# Altium PCB 0020-03_FFT2G.PcbDoc (part 4 of 16) (continued)
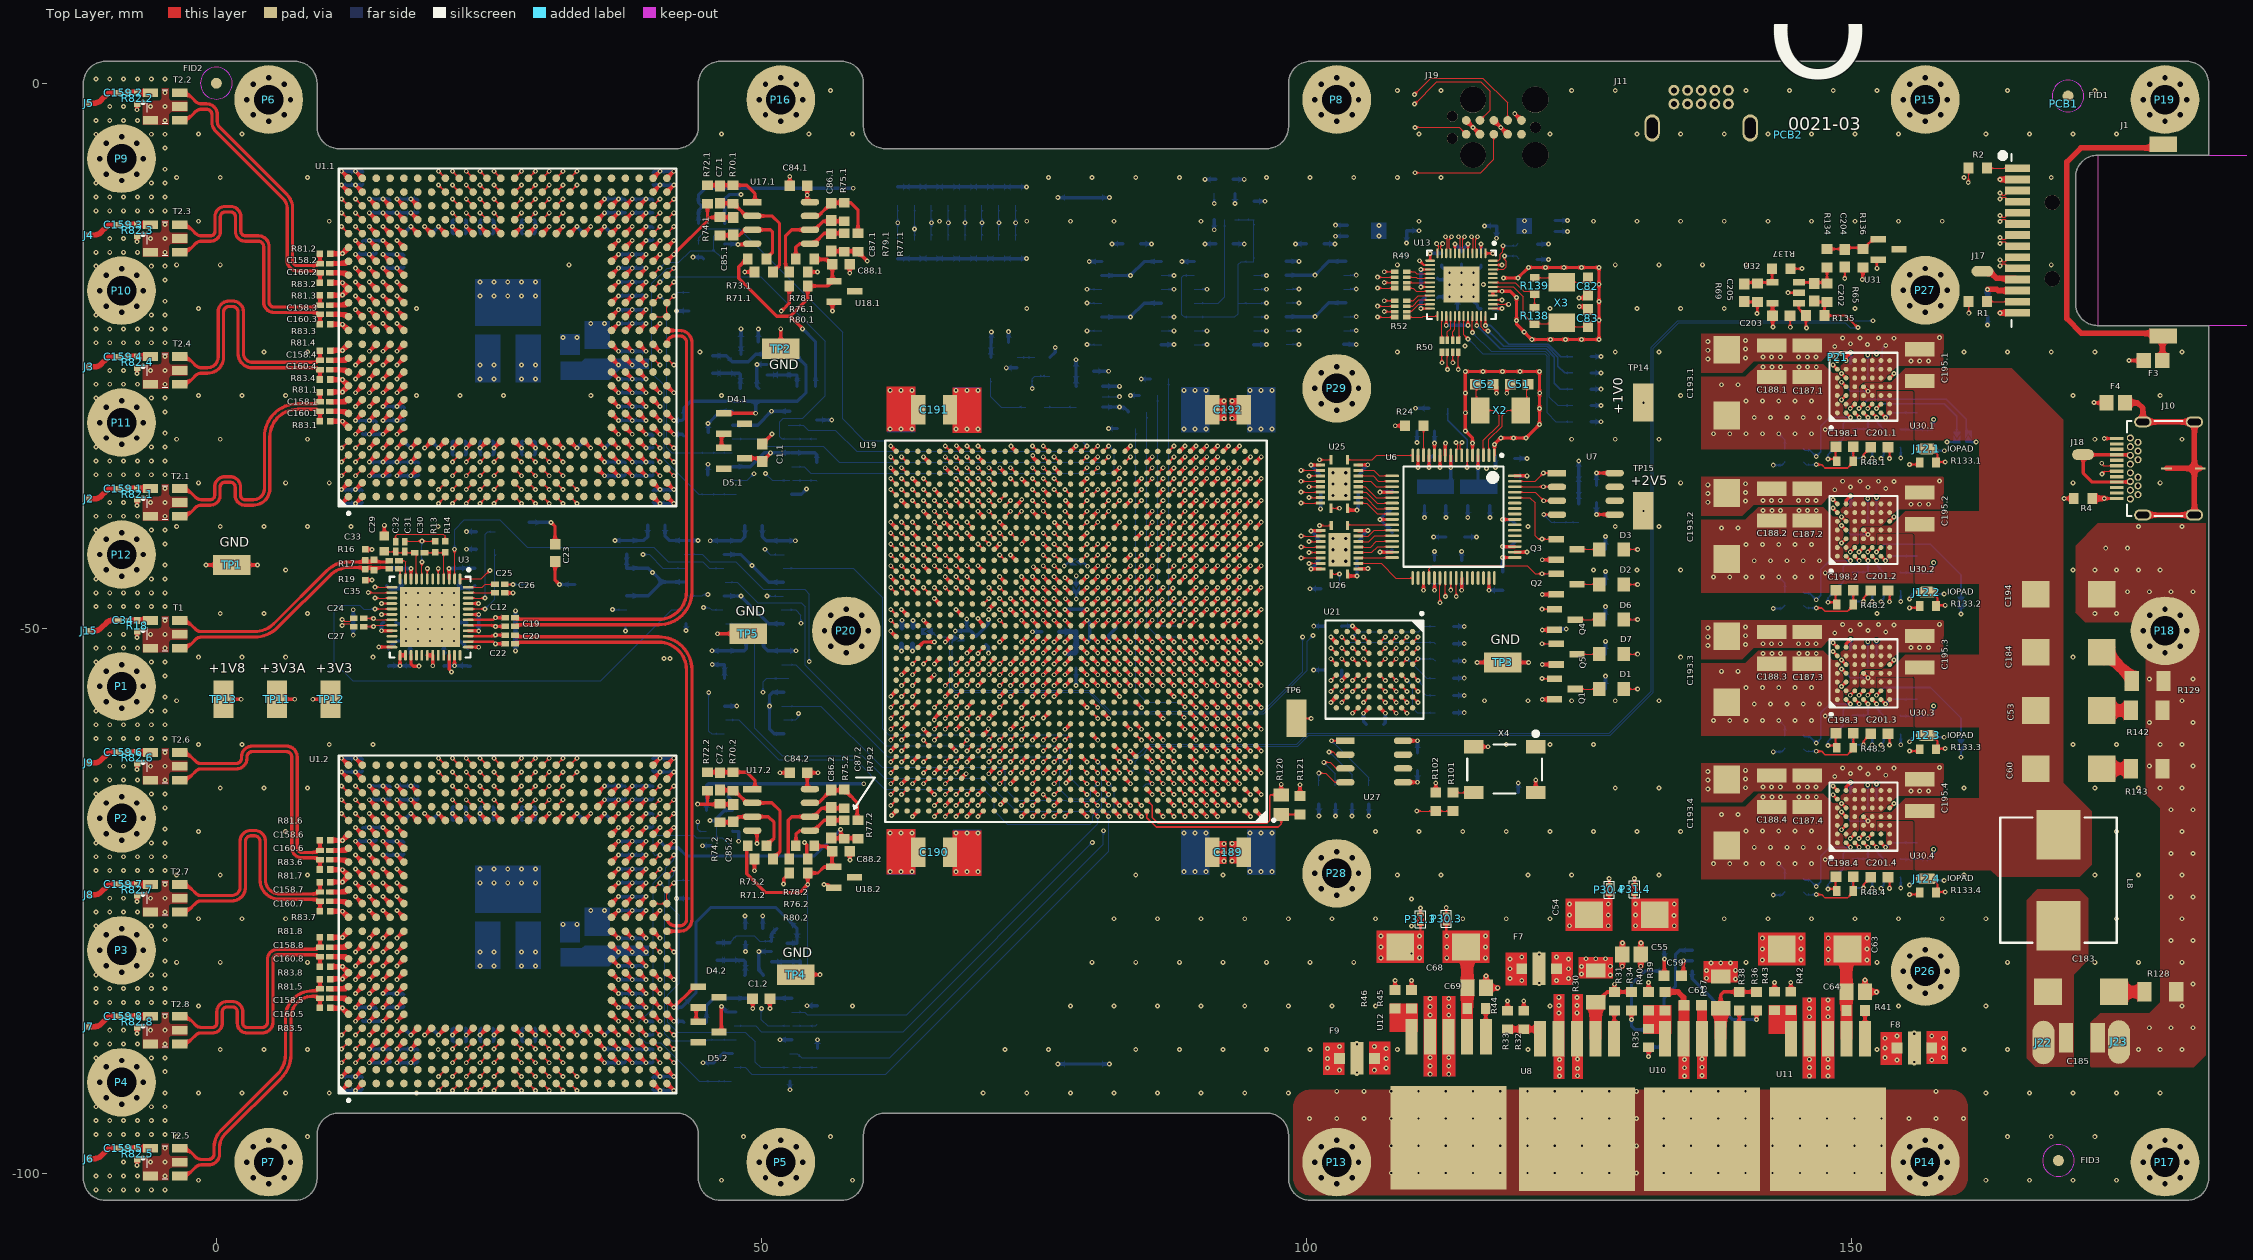
[diagram p0: Top Layer view]
## Nets (pads, with @x,y where several pads share a name; then routed paths per layer and width w, separated by ;. In a path a pad name is that pad's centre, name@x,y a point inside that pad or via, vN(x,y) a via of type N, cw(c..) or ccw(c..) an arc to the next point about the centre after c; other vN are vias at no path point) (continued)
  other v1: 157.4,-89.613 158.488,-89.416 158.488,-88.525 158.488,-87.634 157.4,-87.437 24.076,-51.753
+3V3-LDO: C65.2 C66.1 F8.1 R42.1 U11.4 | length 0.8
  Top Layer w0.3: R42.1@144.464,-83.346 v1(144.464,-82.506)
  other v1: 146.164,-91.088 146.164,-90.326 154.2,-89.613 146.164,-89.564 153.112,-89.416 153.112,-88.525 153.112,-87.634 154.2,-87.437 146.164,-85.655 146.164,-84.893 146.164,-84.131
+3V3A: C1.1.1 C1.2.1 C5.1.2 C5.2.2 C84.1.2 C84.2.2 C89.1.1 C89.2.1 C90.1.2 C90.2.2 C91.1.2 C91.2.2 C92.1.2 C92.2.2 C93.1.2 C93.2.2 C94.1.2 C94.2.2 C95.1.2 C95.2.2 C96.1.2 C96.2.2 C97.1.2 C97.2.2 C98.1.2 C98.2.2 C99.1.2 C99.2.2 C100.1.2 C100.2.2 C101.1.2 C101.2.2 C102.1.2 C102.2.2 C103.1.2 C103.2.2 C104.1.2 C104.2.2 C105.1.2 C105.2.2 C106.1.2 C106.2.2 C107.1.2 C107.2.2 C108.1.2 C108.2.2 C109.1.2 C109.2.2 C110.1.2 C110.2.2 C111.1.2 C111.2.2 C112.1.2 C112.2.2 C113.1.2 C113.2.2 C114.1.2 C114.2.2 C115.1.2 C115.2.2 C116.1.2 C116.2.2 C117.1.2 C117.2.2 C118.1.2 C118.2.2 C119.1.2 C119.2.2 C120.1.2 C120.2.2 C121.1.2 C121.2.2 C122.1.2 C122.2.2 C123.1.2 C123.2.2 C124.1.2 C124.2.2 C125.1.2 C125.2.2 C126.1.2 C126.2.2 C127.1.2 C127.2.2 C128.1.2 C128.2.2 C129.1.2 C129.2.2 C130.1.2 C130.2.2 C131.1.2 C131.2.2 C132.1.2 C132.2.2 C133.1.2 C133.2.2 C134.1.2 C134.2.2 C135.1.2 C135.2.2 C136.1.2 C136.2.2 C137.1.2 C137.2.2 F7.2 R58.1.2 R58.2.2 R59.1.2 R59.2.2 R60.1.1 R60.2.1 R61.1.1 R61.2.1 R80.1.2 R80.2.2 TP11.1 U1.1.A2 U1.1.A23 U1.1.AA3 U1.1.AA6 U1.1.AA7 U1.1.AA10 U1.1.AA14 U1.1.AA15 U1.1.AA18 U1.1.AA19 U1.1.AA22 U1.1.AB3 U1.1.AB5 U1.1.AB7 U1.1.AB10 U1.1.AB14 U1.1.AB15 U1.1.AB18 U1.1.AB20 U1.1.AB22 U1.1.AC2 U1.1.AC9 U1.1.AC23 U1.1.AD2 U1.1.AD23 U1.1.B2 U1.1.B23 U1.1.C3 U1.1.C5 U1.1.C6 U1.1.C19 U1.1.C20 U1.1.C22 U1.1.D3 U1.1.D6 U1.1.D7 U1.1.D18 U1.1.D19 U1.1.D22 U1.1.E7 U1.1.E18 U1.1.K5 U1.1.K20 U1.1.M5 U1.1.M20 U1.1.N5 U1.1.N20 U1.1.R5 U1.1.R20 U1.1.Y7 U1.1.Y10 U1.1.Y14 U1.1.Y15 U1.1.Y18 U1.2.A2 U1.2.A23 U1.2.AA3 U1.2.AA6 U1.2.AA7 U1.2.AA10 U1.2.AA14 U1.2.AA15 U1.2.AA18 U1.2.AA19 U1.2.AA22 U1.2.AB3 U1.2.AB5 U1.2.AB7 U1.2.AB10 U1.2.AB14 U1.2.AB15 U1.2.AB18 U1.2.AB20 U1.2.AB22 U1.2.AC2 U1.2.AC9 U1.2.AC23 U1.2.AD2 U1.2.AD23 U1.2.B2 U1.2.B23 U1.2.C3 U1.2.C5 U1.2.C6 U1.2.C19 U1.2.C20 U1.2.C22 U1.2.D3 U1.2.D6 U1.2.D7 U1.2.D18 U1.2.D19 U1.2.D22 U1.2.E7 U1.2.E18 U1.2.K5 U1.2.K20 U1.2.M5 U1.2.M20 U1.2.N5 U1.2.N20 U1.2.R5 U1.2.R20 U1.2.Y7 U1.2.Y10 U1.2.Y14 U1.2.Y15 U1.2.Y18 U14.1.14 U14.2.14 U16.1.5 U16.2.5 U17.1.8 U17.2.8 | length 220.9
  Top Layer w0.3: TP11.1@5.562,-56.526 v1(7.187,-56.526) ; v1(11.493,-91.148) U1.2.A2@12.128,-90.513 ; v1(11.493,-63.208) U1.2.A23@12.128,-63.843 ; v1(11.493,-37.292) U1.1.A2@12.128,-36.657 ; v1(11.493,-9.352) U1.1.A23@12.128,-9.987 ; v1(12.763,-91.148) U1.2.B2@13.398,-90.513 ; v1(12.763,-63.208) U1.2.B23@13.398,-63.843 ; v1(12.763,-37.292) U1.1.B2@13.398,-36.657 ; v1(12.763,-9.352) U1.1.B23@13.398,-9.987 ; v1(14.033,-89.878) U1.2.C3@14.668,-89.243 ; v1(14.033,-87.338) U1.2.C5@14.668,-86.703 ; v1(14.033,-86.068) U1.2.C6@14.668,-85.433 ; v1(14.033,-68.288) U1.2.C19@14.668,-68.923 ; v1(14.033,-67.018) U1.2.C20@14.668,-67.653 ; v1(14.033,-64.478) U1.2.C22@14.668,-65.113 ; v1(14.033,-36.022) U1.1.C3@14.668,-35.387 ; v1(14.033,-33.482) U1.1.C5@14.668,-32.847 ; v1(14.033,-32.212) U1.1.C6@14.668,-31.577 ; v1(14.033,-14.432) U1.1.C19@14.668,-15.067 ; v1(14.033,-13.162) U1.1.C20@14.668,-13.797 ; v1(14.033,-10.622) U1.1.C22@14.668,-11.257 ; v1(15.303,-89.878) U1.2.D3@15.938,-89.243 ; v1(15.303,-86.068) U1.2.D6@15.938,-85.433 ; v1(15.303,-84.798) U1.2.D7@15.938,-84.163 ; v1(15.303,-69.558) U1.2.D18@15.938,-70.193 ; v1(15.303,-68.288) U1.2.D19@15.938,-68.923 ; v1(15.303,-64.478) U1.2.D22@15.938,-65.113 ; v1(15.303,-36.022) U1.1.D3@15.938,-35.387 ; v1(15.303,-32.212) U1.1.D6@15.938,-31.577 ; v1(15.303,-30.942) U1.1.D7@15.938,-30.307 ; v1(15.303,-15.702) U1.1.D18@15.938,-16.337 ; v1(15.303,-14.432) U1.1.D19@15.938,-15.067 ; v1(15.303,-10.622) U1.1.D22@15.938,-11.257 ; v1(16.573,-84.798) U1.2.E7@17.208,-84.163 ; v1(16.573,-69.558) U1.2.E18@17.208,-70.193 ; v1(16.573,-30.942) U1.1.E7@17.208,-30.307 ; v1(16.573,-15.702) U1.1.E18@17.208,-16.337 ; v1(22.923,-87.338) U1.2.K5@23.558,-86.703 ; v1(22.923,-67.018) U1.2.K20@23.558,-67.653 ; v1(22.923,-33.482) U1.1.K5@23.558,-32.847 ; v1(22.923,-13.162) U1.1.K20@23.558,-13.797 ; v1(25.463,-87.338) U1.2.M5@26.098,-86.703 ; v1(25.463,-67.018) U1.2.M20@26.098,-67.653 ; v1(25.463,-33.482) U1.1.M5@26.098,-32.847 ; v1(25.463,-13.162) U1.1.M20@26.098,-13.797 ; U1.2.N5@27.368,-86.703 v1(28.003,-87.338) ; U1.2.N20@27.368,-67.653 v1(28.003,-67.018) ; U1.1.N5@27.368,-32.847 v1(28.003,-33.482) ; U1.1.N20@27.368,-13.797 v1(28.003,-13.162) ; U1.2.R5@29.908,-86.703 v1(30.543,-87.338) ; U1.2.R20@29.908,-67.653 v1(30.543,-67.018) ; U1.1.R5@29.908,-32.847 v1(30.543,-33.482) ; U1.1.R20@29.908,-13.797 v1(30.543,-13.162) ; U1.2.Y7@36.258,-84.163 v1(36.893,-84.798) ; U1.2.Y10@36.258,-80.353 v1(36.893,-80.988) ; U1.2.Y14@36.258,-75.273 v1(36.893,-74.638) ; U1.2.Y15@36.258,-74.003 v1(36.893,-73.368) ; U1.2.Y18@36.258,-70.193 v1(36.893,-69.558) ; U1.1.Y7@36.258,-30.307 v1(36.893,-30.942) ; U1.1.Y10@36.258,-26.497 v1(36.893,-27.132) ; U1.1.Y14@36.258,-21.417 v1(36.893,-20.782) ; U1.1.Y15@36.258,-20.147 v1(36.893,-19.512) ; U1.1.Y18@36.258,-16.337 v1(36.893,-15.702) ; U1.2.AA3@37.528,-89.243 v1(38.163,-89.878) ; U1.2.AA6@37.528,-85.433 v1(38.163,-86.068) ; U1.2.AA7@37.528,-84.163 v1(38.163,-84.798) ; U1.2.AA10@37.528,-80.353 v1(38.163,-80.988) ; U1.2.AA14@37.528,-75.273 v1(38.163,-74.638) ; U1.2.AA15@37.528,-74.003 v1(38.163,-73.368) ; U1.2.AA18@37.528,-70.193 v1(38.163,-69.558) ; U1.2.AA19@37.528,-68.923 v1(38.163,-68.288) ; U1.2.AA22@37.528,-65.113 v1(38.163,-64.478) ; U1.1.AA3@37.528,-35.387 v1(38.163,-36.022) ; U1.1.AA6@37.528,-31.577 v1(38.163,-32.212) ; U1.1.AA7@37.528,-30.307 v1(38.163,-30.942) ; U1.1.AA10@37.528,-26.497 v1(38.163,-27.132) ; U1.1.AA14@37.528,-21.417 v1(38.163,-20.782) ; U1.1.AA15@37.528,-20.147 v1(38.163,-19.512) ; U1.1.AA18@37.528,-16.337 v1(38.163,-15.702) ; U1.1.AA19@37.528,-15.067 v1(38.163,-14.432) ; U1.1.AA22@37.528,-11.257 v1(38.163,-10.622) ; U1.2.AB3@38.798,-89.243 v1(39.433,-89.878) ; U1.2.AB5@38.798,-86.703 v1(39.433,-87.338) ; U1.2.AB7@38.798,-84.163 v1(39.433,-84.798) ; U1.2.AB10@38.798,-80.353 v1(39.433,-80.988) ; U1.2.AB14@38.798,-75.273 v1(39.433,-74.638) ; U1.2.AB15@38.798,-74.003 v1(39.433,-73.368) ; U1.2.AB18@38.798,-70.193 v1(39.433,-69.558) ; U1.2.AB20@38.798,-67.653 v1(39.433,-67.018) ; U1.2.AB22@38.798,-65.113 v1(39.433,-64.478) ; U1.1.AB3@38.798,-35.387 v1(39.433,-36.022) ; U1.1.AB5@38.798,-32.847 v1(39.433,-33.482) ; U1.1.AB7@38.798,-30.307 v1(39.433,-30.942) ; U1.1.AB10@38.798,-26.497 v1(39.433,-27.132) ; U1.1.AB14@38.798,-21.417 v1(39.433,-20.782) ; U1.1.AB15@38.798,-20.147 v1(39.433,-19.512) ; U1.1.AB18@38.798,-16.337 v1(39.433,-15.702) ; U1.1.AB20@38.798,-13.797 v1(39.433,-13.162) ; U1.1.AB22@38.798,-11.257 v1(39.433,-10.622) ; U1.2.AC2@40.068,-90.513 v1(40.703,-91.148) ; U1.2.AC9@40.068,-81.623 v1(40.703,-82.258) ; U1.2.AC23@40.068,-63.843 v1(40.703,-63.208) ; U1.1.AC2@40.068,-36.657 v1(40.703,-37.292) ; U1.1.AC9@40.068,-27.767 v1(40.703,-28.402) ; U1.1.AC23@40.068,-9.987 v1(40.703,-9.352) ; U1.2.AD2@41.338,-90.513 v1(41.973,-91.148) ; U1.2.AD23@41.338,-63.843 v1(41.973,-63.208) ; U1.1.AD2@41.338,-36.657 v1(41.973,-37.292) ; U1.1.AD23@41.338,-9.987 v1(41.973,-9.352) ; C1.2.1@49.192,-84.004 49.217,-84.03 v1(49.217,-84.898) ; C1.1.1@50.081,-33.114 v1(50.995,-32.2) ; v1(51.827,-20.909) 51.853,-20.909 52.565,-20.197 R80.1.2@52.565,-18.614 ; v1(52.052,-73.489) 52.052,-72.983 R80.2.2@52.565,-72.47 ; U17.2.8@54.215,-64.765 C84.2.2@54.215,-63.27 ; U17.1.8@54.215,-10.909 C84.1.2@54.215,-9.414 ; C84.2.2@54.417,-63.27 C84.2.2@54.215,-63.27 ; v1(55.194,-63.27) C84.2.2@54.215,-63.27
  Bottom Layer w0.3: v1(11.493,-91.148) v1(12.763,-91.148) 13.328,-91.148 C96.2.2@13.403,-91.222 ; v1(11.493,-63.208) v1(12.763,-63.208) 13.32,-63.208 C90.2.2@13.398,-63.13 ; v1(11.493,-37.292) v1(12.763,-37.292) 13.315,-37.292 C96.1.2@13.403,-37.379 ; v1(11.493,-9.352) v1(12.763,-9.352) 13.359,-9.352 C113.1.2@13.454,-9.256 ; C122.1.2@13.398,-14.489 13.455,-14.432 v1(14.033,-14.432) v1(15.303,-14.432) ; C123.2.2@13.403,-86.006 13.464,-86.068 v1(14.033,-86.068) v1(15.303,-86.068) ; C98.2.2@13.403,-68.346 13.461,-68.288 v1(14.033,-68.288) v1(15.303,-68.288) ; C123.1.2@13.403,-32.167 13.447,-32.212 v1(14.033,-32.212) v1(15.303,-32.212) ; v1(14.033,-89.878) v1(15.303,-89.878) 15.856,-89.878 C120.2.2@15.943,-89.791 ; v1(14.033,-64.478) v1(15.303,-64.478) 15.86,-64.478 C114.2.2@15.943,-64.561 ; v1(14.033,-36.022) v1(15.303,-36.022) 15.873,-36.022 C120.1.2@15.943,-35.952 ; v1(14.033,-10.622) v1(15.303,-10.622) 15.821,-10.622 C114.1.2@15.929,-10.73 ; v1(15.303,-84.798) v1(16.573,-84.798) 17.14,-84.798 C124.2.2@17.213,-84.725 ; v1(15.303,-69.558) v1(16.573,-69.558) 17.123,-69.558 C121.2.2@17.206,-69.641 ; v1(15.303,-30.942) v1(16.573,-30.942) 17.169,-30.942 C124.1.2@17.238,-30.872 ; v1(15.303,-15.702) v1(16.573,-15.702) 17.119,-15.702 C121.1.2@17.202,-15.784 ; C136.2.2@22.823,-67.651 22.923,-67.551 v1(22.923,-67.018) 22.923,-66.481 C112.2.2@22.823,-66.381 ; C133.1.2@22.826,-34.123 22.923,-34.026 v1(22.923,-33.482) 22.923,-32.937 C109.1.2@22.826,-32.84 ; C136.1.2@22.852,-13.803 22.923,-13.732 v1(22.923,-13.162) 22.923,-12.589 C112.1.2@22.852,-12.518 ; C133.2.2@22.868,-87.971 22.923,-87.916 v1(22.923,-87.338) 22.923,-86.755 C109.2.2@22.868,-86.7 ; C132.1.2@25.366,-34.123 25.463,-34.026 v1(25.463,-33.482) 25.463,-32.937 C108.1.2@25.366,-32.84 ; C135.1.2@25.366,-13.803 25.463,-13.706 v1(25.463,-13.162) 25.463,-12.615 C111.1.2@25.366,-12.518 ; C132.2.2@25.383,-87.971 25.463,-87.891 v1(25.463,-87.338) 25.463,-86.781 C108.2.2@25.383,-86.701 ; C135.2.2@25.383,-67.651 25.463,-67.571 v1(25.463,-67.018) 25.463,-66.461 C111.2.2@25.383,-66.381 ; C134.1.2@28.059,-13.803 28.003,-13.747 v1(28.003,-13.162) 28.003,-12.574 C110.1.2@28.059,-12.518 ; C134.2.2@28.068,-67.651 28.003,-67.587 v1(28.003,-67.018) 28.003,-66.445 C110.2.2@28.068,-66.381 ; C131.1.2@28.068,-34.123 28.003,-34.059 v1(28.003,-33.482) 28.003,-32.904 C107.1.2@28.068,-32.84 ; C131.2.2@28.133,-87.971 28.003,-87.841 v1(28.003,-87.338) 28.003,-86.831 C107.2.2@28.133,-86.701 ; v1(36.893,-84.798) v1(38.163,-84.798) v1(39.433,-84.798) ; v1(36.893,-80.988) v1(38.163,-80.988) v1(39.433,-80.988) ; v1(36.893,-74.638) v1(38.163,-74.638) v1(39.433,-74.638) ; v1(36.893,-73.368) v1(38.163,-73.368) v1(39.433,-73.368) ; v1(36.893,-69.558) v1(38.163,-69.558) v1(39.433,-69.558) ; v1(36.893,-30.942) v1(38.163,-30.942) v1(39.433,-30.942) ; v1(36.893,-27.132) v1(38.163,-27.132) v1(39.433,-27.132) ; v1(36.893,-20.782) v1(38.163,-20.782) v1(39.433,-20.782) ; v1(36.893,-19.512) v1(38.163,-19.512) v1(39.433,-19.512) ; v1(36.893,-15.702) v1(38.163,-15.702) v1(39.433,-15.702) ; v1(38.163,-89.878) v1(39.433,-89.878) 39.993,-89.878 C95.2.2@40.073,-89.797 ; v1(38.163,-64.478) v1(39.433,-64.478) 40.01,-64.478 C93.2.2@40.068,-64.536 ; v1(38.163,-36.022) v1(39.433,-36.022) 39.978,-36.022 C95.1.2@40.073,-35.926 ; v1(38.163,-10.622) v1(39.433,-10.622) 39.94,-10.622 C93.1.2@40.073,-10.755 ; v1(39.433,-87.338) 39.981,-87.338 C130.2.2@40.068,-87.25 ; v1(39.433,-67.018) 40.001,-67.018 C137.2.2@40.068,-67.084 ; v1(39.433,-33.482) 39.998,-33.482 C130.1.2@40.068,-33.412 ; v1(39.433,-13.162) 39.96,-13.162 C137.1.2@40.068,-13.27 ; C94.2.2@40.048,-91.237 40.137,-91.148 v1(40.703,-91.148) v1(41.973,-91.148) ; C92.2.2@40.048,-63.07 40.185,-63.208 v1(40.703,-63.208) v1(41.973,-63.208) ; C92.1.2@40.068,-9.29 40.13,-9.352 v1(40.703,-9.352) v1(41.973,-9.352) ; C94.1.2@40.073,-37.374 40.156,-37.292 v1(40.703,-37.292) v1(41.973,-37.292) ; v1(42.205,-20.909) 42.213,-20.902 R58.1.2@43.371,-20.902 ; v1(42.233,-74.814) R58.2.2@43.371,-74.814 ; v1(43.731,-15.962) 44.544,-15.962 R59.1.2@44.695,-16.114 ; v1(44.592,-69.97) R59.2.2@45.415,-69.97 ; R60.2.1@44.964,-86.156 44.964,-84.644 45.648,-83.96 U14.2.14@47.356,-83.96 48.747,-83.96 49.217,-84.43 v1(49.217,-84.898) ; R60.1.1@45.115,-32.054 45.123,-32.047 v1(45.123,-31.223) ; v1(45.123,-31.223) 46.243,-30.104 U14.1.14@47.356,-30.104 ; U16.1.5@48.131,-24.864 C5.1.2@48.131,-23.714 48.131,-22.546 v1(48.14,-22.536) ; v1(48.506,-76.414) 48.531,-76.439 C5.2.2@48.531,-77.57 ; v1(48.556,-79.67) U16.2.5@48.556,-78.745 ; v1(54.198,-84.647) R61.2.1@55.148,-84.647 ; R61.1.1@55.08,-30.897 v1(56.461,-30.897)
  other v1: 119.778,-82.338 118.69,-82.141 118.69,-81.25 28.003,-80.988 29.273,-80.988 118.69,-80.359 119.778,-80.162 28.003,-79.718 29.273,-79.718 28.003,-27.132 29.273,-27.132 28.003,-25.862 29.273,-25.862 54.215,-10.247
+3V3A-LDO: C57.1 C58.1 C61.1 F7.1 R32.1 R39.1 U8.4 U10.4 | length 3.5
  Top Layer w0.3: R32.1@119.96,-85.05 v1(119.96,-84.21)
  Top Layer w0.5: R39.1@132.916,-83.375 134.132,-83.375 134.632,-83.875 134.632,-84.578 C61.1@134.653,-84.6
  other v1: 123.231,-91.102 134.703,-91.102 123.231,-90.415 134.703,-90.34 123.231,-89.578 134.703,-89.578 123.178,-85.324 123.178,-84.637 123.178,-83.875 122.978,-82.338 124.066,-82.141 124.066,-81.25 124.066,-80.359 122.978,-80.162
+AVDD: C174.1 C175.1 F1.2 U19.T18 | length 5.2
  Top Layer w0.3: v1(77.875,-52.28) U19.T18@78.375,-51.78
  Bottom Layer w0.45: C175.1@77.356,-50.328 78.854,-50.328 C174.1@78.88,-50.303 F1.2@78.88,-52.182 78.782,-52.28 v1(77.875,-52.28)
_EXT_FS_N: C35.1 R17.1 R19.1 T1.3 | length 22.1
  Top Layer w0.1: C35.1@15.762,-44.541 C35.1@15.862,-44.541
  Top Layer w0.3: T1.3@-3.367,-51.84 ccw(c-3.367,-50.24) -2.235,-51.371 -1.883,-51.018 cw(c-1.404,-51.497) -1.404,-50.819 3.495,-50.819 ccw(c3.495,-47.789) 5.637,-49.932 10.392,-45.177 cw(c12.188,-46.973) 12.188,-44.433 15.487,-44.433 15.495,-44.441 15.628,-44.441 cw(c15.628,-44.765) 15.857,-44.536 C35.1@15.862,-44.541
_EXT_FS_P: C33.1 R16.1 R17.2 T1.5 | length 22.1
  Top Layer w0.1: C33.1@15.762,-43.826 C33.1@15.862,-43.826
  Top Layer w0.3: T1.5@-3.367,-49.3 cw(c-3.367,-50.9) -2.235,-49.768 -1.883,-50.121 ccw(c-1.404,-49.642) -1.404,-50.319 3.491,-50.319 ccw(c3.491,-47.779) 5.287,-49.576 10.139,-44.723 cw(c12.045,-46.628) 12.045,-43.933 15.487,-43.933 15.495,-43.926 15.628,-43.926 ccw(c15.628,-43.602) 15.857,-43.831 C33.1@15.862,-43.826
ADC_CSN.1: R61.1.2 U1.1.AC16 U14.1.3 | length 33.7
  Top Layer w0.1: U1.1.AC16@40.068,-18.877 v1(40.703,-18.242)
  Bottom Layer w0.1: v1(40.703,-18.242) 41.179,-17.765 49.954,-17.765 55.872,-23.684 55.872,-28.656 53.782,-30.745 52.011,-30.745 51.673,-31.083 51.673,-32.427 51.881,-32.635 52.473,-32.635 52.481,-32.644 U14.1.3@52.806,-32.644 R61.1.2@55.08,-32.644
ADC_CSN.2: R61.2.2 U1.2.AC16 U14.2.3 | length 23.9
  Top Layer w0.1: U1.2.AC16@40.068,-72.733 v1(40.703,-72.098)
  SIG2 w0.1: v1(40.703,-72.098) 41.318,-72.712 41.318,-76.22 v1(50.004,-84.906)
  Bottom Layer w0.1: v1(50.004,-84.906) 50.004,-85.915 50.589,-86.5 52.631,-86.5 U14.2.3@52.481,-86.5 ; U14.2.3@52.906,-86.5 54.995,-86.5 R61.2.2@55.148,-86.347
ADC_INP.1_N: C160.1.2 R83.1.1 T2.1.3 | length 24.2
  Top Layer w0.3: T2.1.3@-3.367,-39.733 ccw(c-3.367,-38.133) -2.235,-39.264 -1.883,-38.911 cw(c-1.404,-39.39) -1.404,-38.713 -0.546,-38.713 ccw(c-0.546,-37.826) 0.341,-37.826 0.341,-37.05 cw(c0.781,-37.05) 0.781,-36.61 1.283,-36.61 cw(c1.283,-37.05) 1.723,-37.05 1.723,-37.826 ccw(c2.61,-37.826) 2.61,-38.713 3.4,-38.713 ccw(c3.4,-37.205) 4.907,-37.205 4.907,-32.461 cw(c7.447,-32.461) 7.447,-29.921 9.235,-29.921 9.41,-30.096 C160.1.2@9.51,-30.097 ; R83.1.1@9.51,-30.951 C160.1.2@9.51,-30.107
ADC_INP.1_P: C158.1.2 R81.1.2 T2.1.5 | length 24.2
  Top Layer w0.3: T2.1.5@-3.367,-37.193 cw(c-3.367,-38.793) -2.235,-37.661 -1.883,-38.014 ccw(c-1.404,-37.535) -1.404,-38.213 -0.546,-38.213 ccw(c-0.546,-37.826) -0.159,-37.826 -0.159,-37.05 cw(c0.781,-37.05) 0.781,-36.11 1.283,-36.11 cw(c1.283,-37.05) 2.223,-37.05 2.223,-37.826 ccw(c2.61,-37.826) 2.61,-38.213 3.4,-38.213 ccw(c3.4,-37.205) 4.407,-37.205 4.407,-32.461 cw(c7.447,-32.461) 7.447,-29.421 9.235,-29.421 9.41,-29.246 C158.1.2@9.51,-29.246 ; C158.1.2@9.51,-29.237 R81.1.2@9.51,-28.392
ADC_INP.2_N: C160.2.2 R83.2.1 T2.2.3 | length 24.2
  Top Layer w0.3: T2.2.3@-3.367,-3.41 ccw(c-3.367,-1.81) -2.235,-2.942 -1.883,-2.589 ; -1.883,-2.589 cw(c-1.404,-3.068) -1.404,-2.39 -0.9,-2.39 cw(c-0.9,-2.881) -0.41,-2.881 -0.41,-3.554 ; -0.41,-3.556 ccw(c0.786,-3.556) -0.059,-4.401 6.141,-10.602 cw(c5.292,-11.451) 6.493,-11.451 6.493,-16.317 ; 6.49,-16.282 ccw(c7.43,-16.282) 7.43,-17.222 9.235,-17.222 9.41,-17.397 C160.2.2@9.51,-17.397 ; R83.2.1@9.51,-18.251 C160.2.2@9.51,-17.407
ADC_INP.2_P: C158.2.2 R81.2.2 T2.2.5 | length 24.2
  Top Layer w0.3: T2.2.5@-3.367,-0.87 cw(c-3.367,-2.47) -2.235,-1.339 -1.883,-1.692 ccw(c-1.404,-1.213) -1.404,-1.89 -0.9,-1.89 cw(c-0.9,-2.881) 0.09,-2.881 0.09,-3.554 ccw(c0.791,-3.554) 0.296,-4.049 6.497,-10.251 cw(c5.301,-11.448) 6.993,-11.448 6.993,-16.317 ; 6.99,-16.282 ccw(c7.43,-16.282) 7.43,-16.722 9.235,-16.722 9.41,-16.547 C158.2.2@9.51,-16.547 ; C158.2.2@9.51,-16.537 R81.2.2@9.51,-15.692
ADC_INP.3_N: C160.3.2 R83.3.1 T2.3.3 | length 24.3
  Top Layer w0.3: T2.3.3@-3.367,-15.518 ccw(c-3.367,-13.918) -2.235,-15.049 -1.883,-14.696 cw(c-1.404,-15.175) -1.404,-14.498 -0.521,-14.498 ccw(c-0.521,-13.611) 0.366,-13.611 0.366,-12.25 cw(c0.806,-12.25) 0.806,-11.81 1.308,-11.81 cw(c1.308,-12.25) 1.748,-12.25 1.748,-13.611 ccw(c2.635,-13.611) 2.635,-14.498 3.848,-14.498 cw(c3.848,-14.988) 4.339,-14.988 4.339,-20.092 ; 4.338,-20.092 ccw(c5.278,-20.092) 5.278,-21.032 9.235,-21.032 9.41,-21.207 C160.3.2@9.51,-21.207 ; R83.3.1@9.51,-22.061 C160.3.2@9.51,-21.217
ADC_INP.3_P: C158.3.2 R81.3.2 T2.3.5 | length 24.3
  Top Layer w0.3: T2.3.5@-3.367,-12.978 cw(c-3.367,-14.578) -2.235,-13.446 -1.883,-13.799 ccw(c-1.404,-13.32) -1.404,-13.998 -0.521,-13.998 ccw(c-0.521,-13.611) -0.134,-13.611 -0.134,-12.25 cw(c0.806,-12.25) 0.806,-11.31 1.308,-11.31 cw(c1.308,-12.25) 2.248,-12.25 2.248,-13.611 ccw(c2.635,-13.611) 2.635,-13.998 3.848,-13.998 cw(c3.848,-14.988) 4.839,-14.988 4.839,-20.092 ; 4.838,-20.092 ccw(c5.278,-20.092) 5.278,-20.532 9.235,-20.532 9.41,-20.357 C158.3.2@9.51,-20.357 ; C158.3.2@9.51,-20.347 R81.3.2@9.51,-19.502
ADC_INP.4_N: C160.4.2 R83.4.1 T2.4.3 | length 24.2
  Top Layer w0.3: T2.4.3@-3.367,-27.625 ccw(c-3.367,-26.025) -2.235,-27.157 -1.883,-26.804 cw(c-1.404,-27.283) -1.404,-26.605 -0.814,-26.605 ccw(c-0.814,-25.131) 0.66,-25.131 0.66,-20.98 cw(c1.151,-20.98) 1.151,-20.489 1.498,-20.489 cw(c1.498,-20.98) 1.989,-20.98 1.989,-24.801 ccw(c3.3,-24.801) 3.3,-26.112 9.235,-26.112 9.41,-26.287 C160.4.2@9.51,-26.287 ; R83.4.1@9.51,-27.141 C160.4.2@9.51,-26.297
ADC_INP.4_P: C158.4.2 R81.4.2 T2.4.5 | length 24.2
  Top Layer w0.3: T2.4.5@-3.367,-25.085 cw(c-3.367,-26.685) -2.235,-25.554 -1.883,-25.907 ccw(c-1.404,-25.428) -1.404,-26.105 -0.814,-26.105 ccw(c-0.814,-25.131) 0.16,-25.131 0.16,-20.98 cw(c1.151,-20.98) 1.151,-19.989 1.498,-19.989 cw(c1.498,-20.98) 2.489,-20.98 2.489,-24.801 ccw(c3.3,-24.801) 3.3,-25.612 9.235,-25.612 9.41,-25.437 C158.4.2@9.51,-25.437 ; C158.4.2@9.51,-25.427 R81.4.2@9.51,-24.582
ADC_INP.5_N: C160.5.2 R83.5.1 T2.5.3 | length 24.3
  Top Layer w0.3: T2.5.3@-3.367,-100.268 ccw(c-3.367,-98.668) -2.235,-99.799 -1.883,-99.446 cw(c-1.404,-99.925) -1.404,-99.247 -0.698,-99.247 ccw(c-0.698,-98.257) 0.292,-98.257 0.292,-97.62 cw(c1.94,-97.62) 0.775,-96.454 5.948,-91.281 ccw(c3.801,-89.134) 6.837,-89.134 ; 6.837,-89.133 6.837,-85.746 cw(c8.806,-85.746) 8.806,-83.778 9.235,-83.778 9.41,-83.953 C160.5.2@9.51,-83.953 ; R83.5.1@9.51,-84.807 C160.5.2@9.51,-83.963
ADC_INP.5_P: C158.5.2 R81.5.2 T2.5.5 | length 24.3
  Top Layer w0.3: T2.5.5@-3.367,-97.728 cw(c-3.367,-99.328) -2.235,-98.196 -1.883,-98.549 ccw(c-1.404,-98.07) -1.404,-98.747 -0.698,-98.747 ccw(c-0.698,-98.257) -0.208,-98.257 -0.208,-97.619 cw(c1.938,-97.619) 0.421,-96.101 5.593,-90.929 ccw(c3.797,-89.133) 6.337,-89.133 6.337,-85.747 cw(c8.806,-85.746) 8.806,-83.278 9.235,-83.278 9.41,-83.103 C158.5.2@9.51,-83.103 ; C158.5.2@9.51,-83.093 R81.5.2@9.51,-82.248
ADC_INP.6_N: C160.6.2 R83.6.1 T2.6.3 | length 24.2
  Top Layer w0.3: T2.6.3@-3.367,-63.947 ccw(c-3.367,-62.347) -2.235,-63.478 -1.883,-63.125 cw(c-1.404,-63.604) -1.404,-62.926 1.816,-62.926 ccw(c1.816,-61.936) 2.807,-61.936 2.807,-61.816 cw(c3.297,-61.816) 3.297,-61.325 6.429,-61.325 cw(c6.429,-61.816) 6.919,-61.816 ; 6.922,-61.816 6.922,-70.138 ccw(c7.861,-70.138) 7.861,-71.078 9.235,-71.078 9.41,-71.253 C160.6.2@9.51,-71.253 ; R83.6.1@9.51,-72.102 C160.6.2@9.51,-71.257
ADC_INP.6_P: C158.6.2 R81.6.2 T2.6.5 | length 24.2
  Top Layer w0.3: T2.6.5@-3.367,-61.407 cw(c-3.367,-63.007) -2.235,-61.875 -1.883,-62.228 ccw(c-1.404,-61.749) -1.404,-62.426 1.816,-62.426 ccw(c1.816,-61.936) 2.307,-61.936 2.307,-61.816 cw(c3.297,-61.816) 3.297,-60.825 6.429,-60.825 cw(c6.429,-61.816) 7.419,-61.816 ; 7.422,-61.816 7.422,-70.138 ccw(c7.861,-70.138) 7.861,-70.578 9.235,-70.578 9.41,-70.403 C158.6.2@9.51,-70.403 ; C158.6.2@9.51,-70.345 R81.6.2@9.51,-69.5
ADC_INP.7_N: C160.7.2 R83.7.1 T2.7.3 | length 24.2
  Top Layer w0.3: T2.7.3@-3.367,-76.054 ccw(c-3.367,-74.454) -2.235,-75.585 -1.883,-75.232 cw(c-1.404,-75.711) -1.404,-75.033 1.406,-75.033 ; 1.461,-75.033 1.406,-75.033 ; R83.7.1@9.51,-75.907 C160.7.2@9.51,-75.063 9.41,-75.063 9.235,-74.888 5.796,-74.888 cw(c5.796,-73.092) 4.001,-73.092 4.001,-69.55 ccw(c3.51,-69.55) 3.51,-69.059 3.162,-69.059 ccw(c3.162,-69.55) 2.672,-69.55 2.672,-73.768 cw(c1.406,-73.768) 1.406,-75.033
ADC_INP.7_P: C158.7.2 R81.7.2 T2.7.5 | length 24.2
  Top Layer w0.3: T2.7.5@-3.367,-73.514 cw(c-3.367,-75.114) -2.235,-73.982 -1.883,-74.335 ccw(c-1.404,-73.856) -1.404,-74.533 1.406,-74.533 ; 1.461,-74.533 1.406,-74.533 ; C158.7.2@9.51,-74.213 9.41,-74.213 9.235,-74.388 5.796,-74.388 cw(c5.796,-73.092) 4.501,-73.092 4.501,-69.55 ccw(c3.51,-69.55) 3.51,-68.559 3.162,-68.559 ccw(c3.162,-69.55) 2.172,-69.55 2.172,-73.768 cw(c1.406,-73.768) 1.406,-74.533 ; C158.7.2@9.51,-74.201 R81.7.2@9.51,-73.356
ADC_INP.8_N: C160.8.2 R83.8.1 T2.8.3 | length 24.2
  Top Layer w0.3: T2.8.3@-3.367,-88.161 ccw(c-3.367,-86.561) -2.235,-87.692 -1.883,-87.339 cw(c-1.404,-87.818) -1.404,-87.14 -0.349,-87.14 ccw(c-0.349,-86.254) 0.538,-86.254 0.538,-85.23 ; 0.538,-85.2 cw(c0.978,-85.2) 0.978,-84.76 1.48,-84.76 cw(c1.48,-85.2) 1.92,-85.2 ; 1.92,-85.23 1.92,-86.254 ccw(c2.807,-86.254) 2.807,-87.14 4.213,-87.14 ccw(c4.213,-86.167) 5.186,-86.167 5.186,-80.402 cw(c5.62,-80.402) 5.62,-79.968 9.235,-79.968 9.41,-80.143 C160.8.2@9.51,-80.143 R83.8.1@9.51,-80.987
ADC_INP.8_P: C158.8.2 R81.8.2 T2.8.5 | length 24.2
  Top Layer w0.3: T2.8.5@-3.367,-85.621 cw(c-3.367,-87.221) -2.235,-86.089 -1.883,-86.442 ccw(c-1.404,-85.963) -1.404,-86.64 -0.349,-86.64 ccw(c-0.349,-86.254) 0.038,-86.254 0.038,-85.23 ; 0.038,-85.2 cw(c0.978,-85.2) 0.978,-84.26 1.48,-84.26 cw(c1.48,-85.2) 2.42,-85.2 ; 2.42,-85.23 2.42,-86.254 ccw(c2.807,-86.254) 2.807,-86.64 4.213,-86.64 ccw(c4.213,-86.167) 4.686,-86.167 4.686,-80.402 cw(c5.62,-80.402) 5.62,-79.468 9.235,-79.468 9.41,-79.293 C158.8.2@9.51,-79.293 ; C158.8.2@9.51,-79.281 R81.8.2@9.51,-78.436
ADC_MISO.1: R59.1.1 U1.1.AC17 U15.1.2 | length 10
  Top Layer w0.1: U1.1.AC17@40.068,-17.607 v1(40.703,-16.972)
  Bottom Layer w0.1: v1(40.703,-16.972) 41.241,-16.433 42.447,-16.433 43.527,-15.353 45.634,-15.353 ; R59.1.1@46.395,-16.114 46.395,-16.064 45.995,-15.664 45.945,-15.664 45.634,-15.353 ; U15.1.2@46.645,-13.814 46.631,-13.828 45.834,-13.828 45.634,-14.028 45.634,-15.353
ADC_MISO.2: R59.2.1 U1.2.AC17 U15.2.2 | length 13.3
  Top Layer w0.1: U1.2.AC17@40.068,-71.463 v1(40.703,-70.828)
  Bottom Layer w0.1: v1(40.703,-70.828) 40.227,-70.828 40.073,-70.674 40.073,-69.302 40.378,-68.997 43.794,-68.997 44.01,-69.214 45.923,-69.214 ; R59.2.1@47.121,-69.964 R59.2.1@47.115,-69.97 47.115,-69.906 46.423,-69.214 45.923,-69.214 ; U15.2.2@47.365,-67.67 46.316,-67.67 45.923,-68.063 45.923,-69.214
ADC_MOSI.1: R64.1.2 U1.1.AD17 U14.1.8 | length 28
  Top Layer w0.1: U1.1.AD17@41.338,-17.607 v1(41.973,-16.972)
  Bottom Layer w0.1: v1(41.973,-16.972) 41.349,-16.972 39.966,-18.355 39.966,-26.592 41.089,-27.715 41.089,-34.529 44.283,-37.724 U14.1.8@47.681,-37.724
ADC_MOSI.2: R64.2.2 U1.2.AD17 U14.2.8 | length 29
  Top Layer w0.1: U1.2.AD17@41.338,-71.463 v1(41.973,-70.828)
  Bottom Layer w0.1: v1(41.973,-70.828) 41.973,-71.237 41.237,-71.973 41.237,-72.244 40.068,-73.413 40.068,-84.867 38.803,-86.133 38.803,-87.46 39.39,-88.047 40.779,-88.047 44.305,-91.574 47.251,-91.574 U14.2.8@47.256,-91.58
ADC_RSTN.1: R60.1.2 U1.1.AC15 U14.1.11 | length 21.3
  Top Layer w0.1: U1.1.AC15@40.068,-20.147 v1(40.703,-19.512)
  Bottom Layer w0.1: v1(40.703,-19.512) 41.343,-20.151 41.343,-33.463 41.794,-33.914 U14.1.11@47.356,-33.914
ADC_RSTN.2: R60.2.2 U1.2.AC15 U14.2.11 | length 21.8
  Top Layer w0.1: U1.2.AC15@40.068,-74.003 v1(40.703,-73.368)
  Bottom Layer w0.1: v1(40.703,-73.368) 41.14,-73.804 41.14,-87.209 41.787,-87.856 R60.2.2@44.964,-87.856 45.05,-87.77 47.256,-87.77 U14.2.11@47.681,-87.77
ADC_SCLK.1: R62.1.2 U1.1.AD16 U14.1.6 | length 26.8
  Top Layer w0.1: U1.1.AD16@41.338,-18.877 v1(41.973,-18.242)
  SIG2 w0.1: v1(41.973,-18.242) 45.778,-22.047 45.778,-31.223 v1(50.376,-35.821)
  Bottom Layer w0.1: v1(50.376,-35.821) 51.009,-36.454 52.631,-36.454 U14.1.6@52.481,-36.454 ; U14.1.6@52.906,-36.454 55.024,-36.454 R62.1.2@55.08,-36.51
ADC_SCLK.2: R62.2.2 U1.2.AD16 U14.2.6 | length 32.1
  Top Layer w0.1: U1.2.AD16@41.338,-72.733 v1(41.973,-72.098)
  Bottom Layer w0.1: v1(41.973,-72.098) 41.973,-72.628 41.572,-73.029 41.572,-75.445 42.486,-76.359 42.486,-82.587 41.419,-83.654 41.419,-86.141 42.337,-87.059 48.533,-87.059 49.446,-87.971 49.446,-89.825 49.93,-90.31 U14.2.6@52.481,-90.31 ; U14.2.6@52.59,-90.31 U14.2.6@52.631,-90.31 ; U14.2.6@52.906,-90.31 55.108,-90.31 R62.2.2@55.148,-90.269
ADC_SYNC_N: U1.1.AC11 U1.2.AC11 U19.W34 | length 83.3
  Top Layer w0.1: U1.2.AC11@40.068,-79.083 v1(40.703,-79.718) ; U1.1.AC11@40.068,-25.227 v1(40.703,-25.862) ; v1(61.875,-48.28) U19.W34@62.375,-48.78
  SIG1 w0.1: v1(40.703,-79.718) 41.059,-79.718 41.238,-79.538 41.238,-53.023 41.063,-52.848 v1(41.063,-52.79) ; v1(40.703,-25.862) 41.059,-25.862 41.238,-26.041 41.238,-52.556 v1@41.063,-52.731
  SIG2 w0.1: v1(41.063,-52.79) 41.063,-52.731 41.238,-52.556 41.238,-49.865 42.403,-48.7 51.687,-48.7 53.887,-46.5 59.433,-46.5 61.453,-48.521 61.634,-48.521 v1(61.875,-48.28)